# KiCad board beaglebone-ai.kicad_pcb (continued)
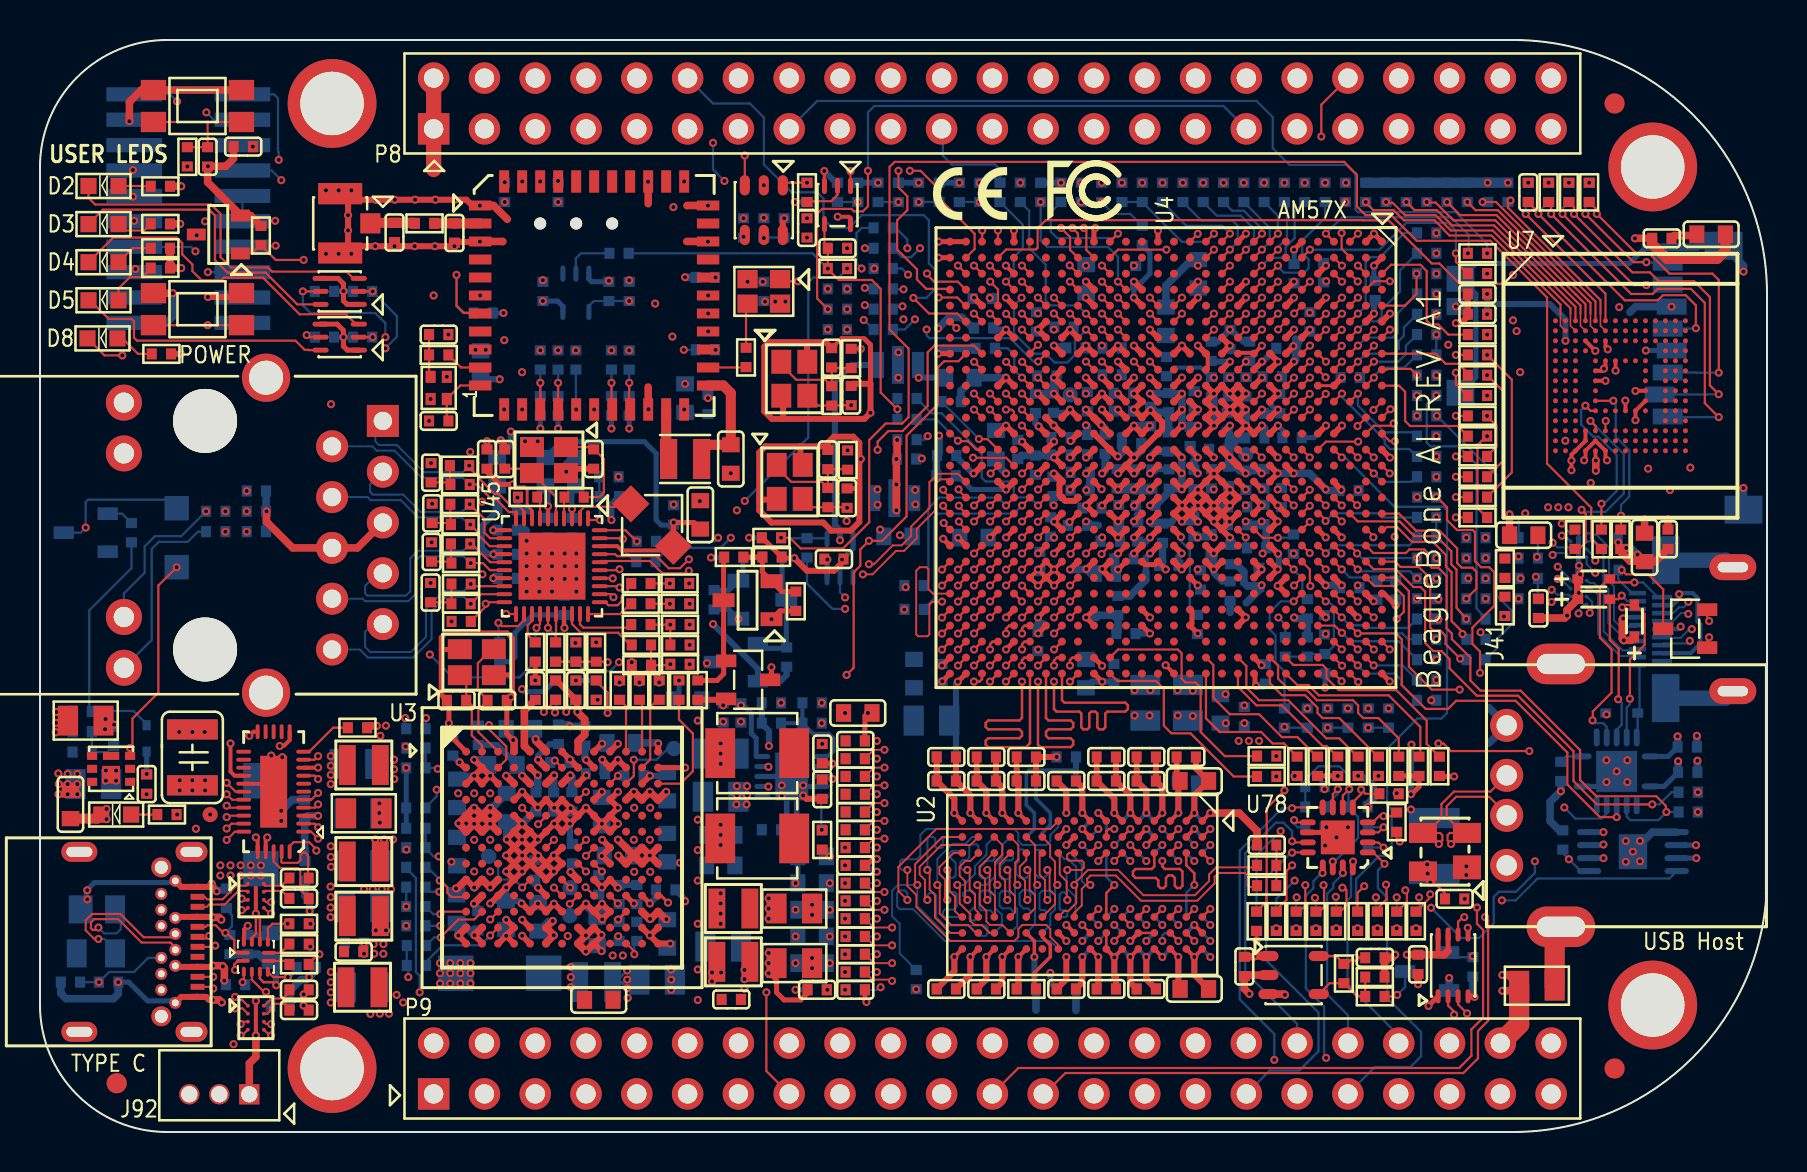
[diagram p0: board, top side]
## Routing (per net, layer and track width the routed paths; a pad name or vN(x,y) marks a point on that pad's centre or on a via; arc(x,y) is an arc through that point) (continued)
  TOP w0.305: v1(57.9,31.33) 57.9,31.33 U4.M17 ; v1(57.9,31.33) U4.N17 ; v1(57.9,31.32) 57.5,30.93 U4.N18 ; v1(57.9,31.32) U4.M18 ; U4.L18 59.1,30.93 v1(59.5,31.32) ; U4.L18 v1(58.7,31.33) ; U4.L18 59.46,30.57 59.46,30.48 ; U4.L18 v1(58.7,30.53) ; U4.M17 v1(58.7,31.33) ; U4.M17 v1(57.9,32.13) ; v1(58.7,31.33) U4.L17 ; v1(58.7,31.33) U4.M18 ; U4.L17 v1(59.5,31.33) ; U4.L17 v1(59.5,32.13) ; U4.N18 57.1,31.33 57.1,31.33 U4.P18 v1(57.1,30.53) U4.N18 ; U4.N18 v1(57.9,30.53) ; U4.P17 57.09,31.33 v1(57.11,31.33) U4.N17 ; U4.M18 v1(58.7,30.53) ; v1(59.5,32.13) U4.L16 v1(58.7,32.93) ; v1(59.5,32.12) U4.K17 v1(59.5,31.33) ; v1(58.7,32.93) U4.M16 v1(57.9,32.13) ; v1(58.7,32.93) U4.L15 ; v1(58.7,32.93) U4.M15 ; U4.N17 v1(57.9,32.13) ; 59.46,30.48 59.44,30.48 59.1,30.15 U4.L19 ; 59.46,30.48 U4.K18 ; U4.L19 v1(59.5,29.73) ; U4.L19 v1(58.7,30.52) ; U4.R18 v1(55.5,30.53)
  SIG_L10 w0.254: v1(32.26,18.22) 33.18,17.3 v1(34.85,17.3)
  BOTTOM w0.381: C112.1 59.54,29.69 v1(59.5,29.73) ; v1(55.5,30.53) 55.6,30.43 C197.1 56.49,30.43 56.62,30.56 ; C206.1 57.7,31.1 57.66,31.14 ; 58.88,31.19 58.95,31.26 C221.1 ; v1(57.9,30.53) v1(57.1,30.53)
  vias: v1(34.85,16.84) v1(34.82,16.38) v1(35.36,17.3) v1(35.36,16.84) v1(35.33,16.38) v1(54.74,20.83) v1(55.49,20.83) v1(56.9,20.83) v1(57.65,20.8) v1(59.3,20.45) v1(59.49,30.53) v1(60.22,20.45)
VDD_RTC: length 2.9
  TOP w0.381: C43.1 24.22,21.07 24.22,19.3 U3.A5
VDD_TYPEC: length 114.9
  TOP w0.114: Q19.2 83.37,25.65 v1(83.46,25.55)
  SIG_L10 w0.152: v1(6.99,17.08) 4.83,14.92 4.83,4.57 6.53,2.87 11.1,2.87 13.34,5.11 16.28,5.11 18.59,2.79 76.1,2.79 77.22,3.91 77.22,7.19 82.27,12.24 82.27,17.02 81.23,18.06 81.23,21.69 83.9,24.36 83.9,25.1 83.46,25.53 v1(83.46,25.55)
  vias: v1(3.3,18.08) v1(3.3,17.57) v1(3.8,18.08) v1(3.8,17.57) v1(5.33,16.89) v1(6.99,17.59) v1(7.62,17.59) v1(7.62,17.08) v1(8.25,17.59) v1(8.25,17.08)
VDD_VREF_IN: length 5.3
  BOTTOM w0.203: U1.1 39.35,18.78 39.42,18.85 39.47,18.85 39.67,19.05 39.67,19.69 39.45,19.91 38.66,19.91 R1.1 ; R1.1 C1.1 ; R1.1 R2.2
/ADC_TF_Debug/UART1_RX: length 68.8
  TOP w0.114: v1(70.71,5.87) 70.71,6.02 70.41,6.32 U46.2
  INT_L3 w0.102: J92.2 9.91,0.94 70.92,0.94 71.35,1.37 71.35,5.28 70.82,5.82 70.76,5.82 v1(70.71,5.87)
/ADC_TF_Debug/UART1_TX: length 70.6
  TOP w0.114: U46.3 70.92,6.78 70.92,6.38 v1(71.36,5.93)
  INT_L3 w0.102: J92.3 8.64,0.71 71.02,0.71 71.58,1.27 71.58,5.71 v1(71.36,5.93)
/AM572x Interfaces/AM572x Interface 1/MII0_TX_CLK: length 11.7
  TOP w0.114: U4.W9 v1(52.3,38.53)
  SIG_L10 w0.102: v1(43.75,40.64) 46.41,40.64 46.52,40.53 50.08,40.53 50.32,40.29 50.32,40.01 50.59,39.73 50.87,39.73 51.1,39.5 51.1,39.14 51.32,38.92 51.66,38.92 52.06,38.53 v1(52.3,38.53)
  BOTTOM w0.114: v1(43.75,40.64) 43.24,40.13 R97.1
/AM572x Interfaces/AM572x Interface 1/MII0_TX_EN: length 12.9
  TOP w0.114: U4.V9 v1(53.1,38.53)
  SIG_L10 w0.102: v1(43.13,41.29) 43.51,41.29 43.57,41.35 50.1,41.35 50.33,41.12 50.33,40.79 50.61,40.51 50.92,40.51 51.13,40.3 51.13,39.99 51.39,39.73 51.63,39.73 51.89,39.47 51.89,39.15 52.11,38.93 52.45,38.93 52.86,38.53 v1(53.1,38.53)
  BOTTOM w0.114: v1(43.13,41.29) 42.74,41.29 42.65,41.2 R96.1
/AM572x Interfaces/AM572x Interface 1/MII0_TXD0: length 14.6
  TOP w0.114: U4.U6 v1(53.9,40.93)
  SIG_L10 w0.102: v1(43.37,44.2) 43.75,44.58 44.32,44.58 44.77,44.13 45.37,44.13 45.59,43.91 50,43.91 51.03,42.88 51.68,42.88 51.92,42.64 51.92,42.31 52.08,42.15 52.38,42.15 52.67,41.86 52.67,41.55 52.89,41.33 53.51,41.33 53.9,40.94 v1(53.9,40.93)
  BOTTOM w0.114: R92.1 42.71,45.27 42.74,45.27 43.37,44.64 v1(43.37,44.2)
/AM572x Interfaces/AM572x Interface 1/MII0_TXD1: length 13.3
  TOP w0.114: U4.V6 v1(53.1,40.93)
  SIG_L10 w0.102: v1(53.1,40.93) 52.83,40.93 52.4,41.35 52.1,41.35 51.89,41.56 51.89,41.85 51.61,42.13 51.32,42.13 50.65,42.8 49.77,43.68 45.59,43.68 45.24,43.33 44.65,43.33 44.01,43.98 v1(44.01,44.2)
  BOTTOM w0.114: v1(44.01,44.2) 43.56,43.75 43.09,43.75 R93.1
/AM572x Interfaces/AM572x Interface 1/MII0_TXD2: length 13.8
  TOP w0.114: U4.U7 v1(53.9,40.13)
  SIG_L10 w0.102: v1(43.41,42.88) 43.73,42.55 45.93,42.55 46.35,42.97 49.97,42.97 51.06,41.88 51.06,41.6 51.32,41.34 51.61,41.34 51.9,41.05 51.9,40.78 52.16,40.52 53.51,40.52 v1(53.9,40.13)
  BOTTOM w0.114: R94.1 43.1,43.18 v1(43.41,42.88)
/AM572x Interfaces/AM572x Interface 1/MII0_TXD3: length 12.7
  TOP w0.114: U4.V7 v1(53.1,40.13)
  SIG_L10 w0.102: v1(43.18,42.14) 50.05,42.14 50.26,41.93 50.26,41.54 50.51,41.29 50.86,41.29 51.13,41.02 51.13,40.76 51.33,40.56 51.59,40.56 51.86,40.29 51.86,40.01 52.12,39.75 52.44,39.75 52.82,40.13 v1(53.1,40.13)
  BOTTOM w0.114: R95.1 42.67,42.14 v1(43.18,42.14)
/AM572x Interfaces/AM572x Interface 1/PR2_MII0_RXD2: length 8.5
  TOP w0.114: U4.A19 67.21,30.13 67.34,30.25 67.87,30.25 68.61,29.51 69.65,29.51 70.31,28.85 70.31,28.27 70.59,27.99 70.59,25.55 71.12,25.02 71.12,24.99 v1(71.13,24.9)
  BOTTOM w0.114: R608.1 71.32,24.71 v1(71.13,24.9)
/AM572x SYSTEM/MR_L: length 30
  TOP w0.114: v1(35.24,48.83) 35.24,47.35 U10.3
  SIG_L10 w0.102: v1(7.37,48.29) 7.37,48.32 7.75,48.7 10.81,48.7 11.3,48.21 34.62,48.21 v1(35.24,48.83)
/AM572x SYSTEM/OSC0_IN: length 11.5
  TOP w0.114: X7.3 38.56,31.24 R11.2 40.34,31.24 v1(40.36,31.22) ; U4.AE15 47.9,33.3 v1(47.54,32.93)
  INT_L3 w0.102: v1(47.54,32.93) 47.14,32.54 46.05,32.54 45.57,33.02 44.63,33.02 44.15,32.54 43.69,32.54 42.1,30.95 41.24,30.95 40.97,31.22 v1(40.36,31.22)
/AM572x SYSTEM/OSC0_OUT: length 9
  TOP w0.114: v1(46.66,33.72) 48.31,33.72 U4.AD15
  SIG_L5 w0.102: v1(40.39,34.09) 41.27,34.09 41.62,33.74 42.14,33.74 42.55,34.16 44.28,34.16 44.72,33.72 v1(46.66,33.72)
/AM572x SYSTEM/OSC1_IN: length 13.1
  TOP w0.114: U4.AC15 v1(49.11,32.93) ; X8.3 38.91,36.33 R12.2 v1(40.56,36.35)
  SIG_L5 w0.102: v1(49.11,32.93) 49.11,33.31 48.29,34.12 45.15,34.12 44.86,34.42 44.07,34.42 43.5,34.99 41.92,34.99 v1(40.56,36.35)
/AM572x SYSTEM/OSC1_OUT: length 12.1
  TOP w0.114: R15.2 v1(41.05,39.17) ; U4.AC13 v1(49.1,35.33)
  SIG_L5 w0.102: v1(49.1,35.33) 48.73,34.95 48.03,34.95 47.23,35.75 42.67,35.75 41.05,37.38 v1(41.05,39.17)
/AM572x SYSTEM/PORZ: length 6.7
  TOP w0.114: 8.38,50.51 S1.2 ; 8.38,50.51 C321.1 R595.2 ; 8.38,50.51 S1.4
/AM572x SYSTEM/PORZn: length 45.4
  TOP w0.114: U4.F22 v1(62.71,27.33)
  SIG_L5 w0.102: v1(35.24,31.56) 37.5,31.56 38.94,30.12 39.98,30.12 41.25,28.85 46,28.85 46.48,29.34 61.99,29.34 62.29,29.04 62.29,27.75 v1(62.71,27.33)
  BOTTOM w0.114: v1(40.36,43.18) 40.36,43.15 39.94,42.74 38.67,42.74 38.42,42.48 38.42,34.73 v1(35.24,31.56)
/AM572x SYSTEM/RESETn: length 5.7
  TOP w0.102: U4.E23 v1(64.29,26.53)
  BOTTOM w0.114: R642.1 R169.2 63.45,23.9 C267.1 64.29,23.9 64.7,24.31 64.7,26.26 64.43,26.53 v1(64.29,26.53)
/AM572x SYSTEM/RSTN: length 2.1
  TOP w0.114: U6.2 39.88,46.86 39.56,46.55 38.39,46.55 R83.1
/AM572x SYSTEM/RSTOUTn: length 33.8
  TOP w0.114: v1(62.69,26.53) 63.08,26.92 U4.F23
  SIG_L5 w0.102: v1(40.26,26.73) 40.64,26.73 40.75,26.62 43.76,26.62 44.3,27.15 44.3,28.37 44.48,28.55 61.24,28.55 61.53,28.26 61.53,26.99 61.98,26.53 v1(62.69,26.53)
  BOTTOM w0.114: R57.1 62.23,23.04 61.79,23.48 61.79,24.83 61.49,25.12 61.49,25.98 62.04,26.53 v1(62.69,26.53) ; v1(40.26,26.73) 40,26.99 U8.2
/AM572x SYSTEM/RTC_PORZn: length 23
  TOP w0.114: U6.4 39.23,44.36 C80.1 v1(39.4,43.18) 39.4,43.15 39.94,42.61 41.59,42.61 42.04,42.16 42.04,36.98 v1(42.88,36.14)
  BOTTOM w0.114: R90.2 v1(42.88,36.14) R89.2 ; R680.1 38.63,43.94 v1(39.4,43.18)
/AM572x SYSTEM/SYS_WARMRESETn: length 65.4
  SIG_L8 w0.102: v1(61.93,25.73) 61.29,25.73 59.49,27.53 59.49,29.22 59.12,29.59 59.12,29.86 58.88,30.1 58.61,30.1 58.29,30.42 58.29,30.67 58.04,30.92 57.79,30.92 57.53,31.18 57.53,31.5 57.28,31.75 56.77,31.75 56.01,32.51 55.37,32.51 55.12,32.77 55.12,33.08 54.86,33.34 54.55,33.34 54.25,33.63 54.25,33.96 53.64,34.57 52.15,34.57 51.79,34.93 48.18,34.93 47.4,35.71 46.58,35.71 45.89,36.41 43.11,36.41 43.02,36.5 42.47,36.5 41.81,37.16 40.22,37.16 40.22,37.16 39.46,37.16 34.77,37.16 34.21,37.72 33.22,37.72 32.59,38.35 32.07,38.35 30.35,40.07 22.54,40.07 22.07,40.54 12.7,40.54 10.24,43 v1(8.39,43)
  BOTTOM w0.114: v1(61.93,25.73) 62.27,25.38 R642.2 ; P2.15 v1(8.39,43)
/DDR/DDR Part 1/DDR1_D0: length 32.5
  TOP w0.127: U4.AF25 v1(46.71,24.93)
  SIG_L5 w0.121: v1(46.71,24.93) 46.71,24.65 46.84,24.52 47.1,24.52 47.22,24.64 47.22,24.84 47.35,24.96 47.79,24.96 47.92,24.84 47.92,24.64 48.05,24.52 48.56,24.52 48.68,24.39 48.68,24.01 48.97,23.72 49.25,23.72 49.5,23.48 49.5,23.06 49.63,22.93 50.97,22.93 51.1,22.8 51.1,22.23 50.97,22.1 49.19,22.1 49.06,21.98 49.06,21.79 49.19,21.66 51.41,21.66 51.54,21.53 51.54,19.69 51.67,19.56 53.07,19.56 53.19,19.44 53.19,18.17 53.32,18.04 55.03,18.04 55.16,17.91 55.16,17.34 55.29,17.22 55.56,17.22 55.7,17.07 55.7,14.96 55.5,14.75 55.17,14.75 54.9,14.49 54.9,14.16 54.71,13.98 54.38,13.98 54.13,13.73 54.13,13.28 54.26,13.15 54.84,13.15 54.97,13.02 54.97,12.64 55.1,12.52 56.3,12.52 56.43,12.39 56.43,12.2 56.3,12.07 55.4,12.07 55.29,11.96 55.29,11.8 55.4,11.69 55.61,11.69 55.73,11.56 55.73,10.99 55.32,10.58 v1(55.32,10.35)
  BOTTOM w0.127: U11.E3 v1(55.32,10.35)
/DDR/DDR Part 1/DDR1_D1: length 32.5
  TOP w0.127: U4.AF26 v1(46.71,24.13)
  SIG_L5 w0.121: v1(53.72,10.35) 54.13,10.76 54.79,10.76 54.95,10.93 54.95,12.03 54.59,12.4 54.59,12.64 54.46,12.77 53.83,12.77 53.32,13.28 53.32,13.75 53.52,13.95 53.88,13.95 54.12,14.19 54.12,14.55 54.32,14.75 54.67,14.75 54.91,14.99 54.91,15.34 54.7,15.54 54.39,15.54 54.12,15.81 54.12,16.2 54.28,16.36 54.78,16.36 54.9,16.48 54.9,16.65 54.78,16.77 53.64,16.77 53.51,16.9 53.51,17.09 53.64,17.22 54.65,17.22 54.78,17.34 54.78,17.53 54.65,17.66 52.94,17.66 52.81,17.79 52.81,19.06 52.68,19.18 52.49,19.18 52.37,19.06 52.37,17.79 52.24,17.66 52.05,17.66 51.92,17.79 51.92,18.17 51.8,18.29 51.35,18.29 51.22,18.42 51.22,18.61 51.35,18.74 51.8,18.74 51.92,18.87 51.92,19.06 51.8,19.18 51.29,19.18 51.16,19.31 51.16,21.15 51.03,21.28 48.81,21.28 48.68,21.41 48.68,23.5 48.46,23.72 47.11,23.72 v1(46.71,24.13)
  BOTTOM w0.127: U11.F2 v1(53.72,10.35)
/DDR/DDR Part 1/DDR1_D2: length 32.7
  TOP w0.127: U4.AG26 v1(45.9,24.12)
  SIG_L5 w0.121: v1(45.9,24.12) 45.9,24.09 45.51,23.69 44.81,23.69 44.49,23.37 42.59,23.37 42.46,23.25 42.46,21.41 42.59,21.28 42.78,21.28 42.91,21.41 42.91,22.8 43.03,22.93 43.22,22.93 43.35,22.8 43.35,21.41 43.48,21.28 43.67,21.28 43.79,21.41 43.79,22.8 43.92,22.93 44.11,22.93 44.24,22.8 44.24,21.41 44.37,21.28 44.56,21.28 44.68,21.41 44.68,22.8 44.82,22.94 45.38,22.94 45.51,22.8 45.51,22.23 45.38,22.1 45.19,22.1 45.06,21.98 45.06,21.41 45.19,21.28 47.79,21.28 47.92,21.15 47.92,20.39 51.41,16.9 52.37,16.9 52.52,16.74 52.52,15.96 52.52,15.83 52.78,15.57 53.08,15.57 53.32,15.33 53.32,14.95 53.12,14.75 52.52,14.75 v1(52.12,14.35)
  BOTTOM w0.127: U11.H7 v1(52.12,14.35)
/DDR/DDR Part 1/DDR1_D3: length 32.8
  TOP w0.127: U4.AH26 v1(45.1,24.12)
  SIG_L5 w0.121: v1(52.92,15.15) 52.65,15.15 52.24,15.56 51.96,15.56 51.73,15.79 51.73,16.11 46.95,20.9 42.21,20.9 42.08,21.03 42.08,21.22 41.95,21.34 41.06,21.34 40.94,21.47 40.94,21.66 41.06,21.79 41.95,21.79 42.08,21.91 42.08,22.1 41.95,22.23 41.06,22.23 40.94,22.36 40.94,22.55 41.06,22.68 41.95,22.68 42.08,22.8 42.08,22.99 41.95,23.12 41.06,23.12 40.94,23.25 40.94,24.39 41.06,24.52 41.25,24.52 41.38,24.39 41.38,23.69 41.51,23.57 41.7,23.57 41.83,23.69 41.83,24.39 41.95,24.52 42.14,24.52 42.27,24.39 42.27,23.88 42.4,23.76 42.59,23.76 42.71,23.88 42.71,24.39 42.84,24.52 43.03,24.52 43.16,24.39 43.16,23.88 43.29,23.76 43.48,23.76 43.6,23.88 43.6,24.39 43.73,24.52 43.92,24.52 44.05,24.39 44.05,23.88 44.18,23.76 44.37,23.76 44.49,23.88 44.49,24.39 44.62,24.52 44.98,24.52 45.1,24.39 v1(45.1,24.12)
  BOTTOM w0.127: U11.H8 v1(52.92,15.15)
/DDR/DDR Part 1/DDR1_D4: length 32.8
  TOP w0.127: U4.AF24 v1(46.71,25.73)
  SIG_L5 w0.121: v1(46.71,25.73) 47.12,26.14 47.69,26.14 47.9,26.35 47.9,26.72 48.1,26.92 48.45,26.92 48.7,27.18 48.7,27.52 48.9,27.72 49.3,27.72 49.5,27.52 49.5,27.18 49.75,26.92 50.1,26.92 50.3,26.72 50.3,26.38 50.55,26.12 50.9,26.12 51.1,25.92 51.1,25.58 51.4,25.28 52.11,25.28 55.12,22.27 55.12,21.84 58.92,18.04 58.92,12.97 57.35,11.41 57.35,11.06 57.08,10.78 56.83,10.78 56.55,10.51 56.55,10.26 56.28,9.98 56.03,9.98 55.75,9.71 55.75,9.46 55.47,9.17 53.31,9.17 v1(52.92,9.55)
  BOTTOM w0.127: U11.G2 v1(52.92,9.55)
/DDR/DDR Part 1/DDR1_D5: length 32.3
  TOP w0.127: U4.AE24 v1(47.51,25.73)
  SIG_L5 w0.121: v1(52.92,10.35) 52.62,10.35 52.49,10.23 52.49,10.09 52.62,9.96 55.53,9.96 55.72,10.15 55.72,10.47 56,10.75 56.32,10.75 56.52,10.95 56.52,11.72 58.12,13.32 58.12,18.38 56.05,20.45 54.46,20.45 54.34,20.58 54.34,21.09 54.46,21.22 54.78,21.22 54.91,21.34 54.91,21.53 54.78,21.66 54.46,21.66 54.34,21.79 54.34,22.55 53.95,22.93 52.94,22.93 52.68,23.18 52.68,24.14 51.92,24.9 51.28,24.9 50.85,25.32 50.5,25.32 50.3,25.52 50.3,25.88 50.05,26.12 49.75,26.12 49.5,26.38 49.5,26.7 49.28,26.92 48.93,26.92 48.7,26.7 48.7,26.32 48.49,26.11 48.14,26.11 47.75,25.73 v1(47.51,25.73)
  BOTTOM w0.127: U11.H3 v1(52.92,10.35)
/DDR/DDR Part 1/DDR1_D6: length 32.4
  TOP w0.127: U4.AF23 v1(46.71,26.53)
  SIG_L5 w0.121: v1(46.71,26.53) 46.3,26.12 46.3,25.58 46.55,25.32 49.27,25.32 49.5,25.09 49.5,23.98 49.75,23.72 51.8,23.72 51.92,23.6 51.92,21.85 52.05,21.72 53.45,21.72 53.57,21.6 53.57,21.41 53.45,21.28 52.05,21.28 51.92,21.15 51.92,20.96 52.05,20.83 53.45,20.83 53.57,20.71 53.57,20.52 53.45,20.39 52.05,20.39 51.92,20.26 51.92,20.07 52.05,19.95 53.45,19.95 53.57,19.82 53.57,18.55 53.7,18.42 55.41,18.42 55.54,18.29 55.54,17.66 55.67,17.53 56.81,17.53 56.94,17.41 56.94,17.22 56.81,17.09 56.18,17.09 56.05,16.96 56.05,16.77 56.18,16.64 56.37,16.64 56.51,16.5 56.51,14.9 56.37,14.75 55.98,14.75 55.76,14.53 55.76,14.13 55.58,13.95 55.17,13.95 54.81,13.6 54.56,13.6 v1(54.52,13.55)
  BOTTOM w0.127: U11.F7 v1(54.52,13.55)
/DDR/DDR Part 1/DDR1_D7: length 32.5
  TOP w0.127: U4.AE23 v1(47.51,26.53)
  SIG_L5 w0.121: v1(47.51,26.53) 47.11,26.92 45.7,26.92 45.54,26.76 45.54,25.57 45.75,25.36 46.04,25.36 46.3,25.1 46.3,23.09 46.46,22.93 47.79,22.93 47.92,22.8 47.92,22.23 47.79,22.1 46.02,22.1 45.89,21.98 45.89,21.79 46.02,21.66 48.18,21.66 48.3,21.53 48.3,21.03 48.43,20.9 50.65,20.9 50.78,20.77 50.78,20.58 50.65,20.45 48.81,20.45 48.68,20.33 48.68,20.14 48.81,20.01 50.65,20.01 50.78,19.88 50.78,19.69 50.65,19.56 49.7,19.56 49.57,19.44 49.57,19.25 49.7,19.12 50.33,19.12 50.46,18.99 50.46,18.36 51.54,17.28 53,17.28 53.13,17.15 53.13,16.52 53.32,16.33 53.32,15.82 53.57,15.56 53.9,15.56 54.09,15.37 54.09,15 53.72,14.63 v1(53.72,14.35)
  BOTTOM w0.127: U11.F8 v1(53.72,14.35)
/DDR/DDR Part 1/DDR1_D8: length 30.4
  TOP w0.127: U4.AC23 v1(49.11,27.32)
  SIG_L10 w0.121: v1(49.11,27.32) 49.09,27.3 49.09,27.08 48.61,26.6 48.61,26.43 48.91,26.13 50.07,26.13 50.33,25.87 50.33,25.53 50.53,25.34 50.84,25.34 51.22,24.96 51.48,24.96 52.68,23.76 52.68,23.18 52.94,22.93 53.38,22.93 53.51,22.8 53.51,22.36 53.64,22.23 53.85,22.23 53.98,22.1 53.98,21.91 53.85,21.79 53.19,21.79 53.07,21.66 53.07,21.47 53.19,21.34 54.98,21.34 55.11,21.22 55.11,20.58 55.24,20.45 56.24,20.45 56.68,20.01 57.61,20.01 61.26,16.36 61.26,11.99 58.83,9.55 v1(58.52,9.55)
  BOTTOM w0.127: U11.A2 v1(58.52,9.55)
/DDR/DDR Part 1/DDR1_D9: length 30.8
  TOP w0.127: U4.AF27 v1(46.7,23.32)
  SIG_L10 w0.121: v1(46.7,23.32) 46.46,23.32 46.07,23.72 45.74,23.72 45.51,23.49 45.51,22.22 45.58,22.16 45.58,22.16 45.89,21.85 45.89,20.64 46.65,19.88 49.38,19.88 49.51,19.76 49.51,18.55 51.73,16.33 51.73,13.34 52.11,12.96 52.11,11.69 51.73,11.31 51.73,9.28 51.86,9.15 54.78,9.15 54.91,9.29 54.91,10.49 55.16,10.74 55.54,10.74 55.73,10.93 55.73,11.31 56.11,11.69 56.11,12.64 56.49,13.02 56.49,14.23 56.37,14.35 v1(56.12,14.35)
  BOTTOM w0.127: U11.D7 v1(56.12,14.35)
/DDR/DDR Part 1/DDR1_D10: length 30.3
  TOP w0.127: U4.AG27 v1(45.9,23.32)
  SIG_L10 w0.121: v1(57.72,14.35) 57.72,14.35 57.32,14.75 55.82,14.75 55.69,14.62 55.69,12.64 55.57,12.52 55.03,12.52 54.91,12.39 54.91,12.2 55.03,12.07 55.57,12.07 55.69,11.94 55.69,11.75 55.57,11.63 55.03,11.63 54.91,11.5 54.91,10.99 54.65,10.74 54.34,10.74 54.14,10.55 54.14,10.1 54.02,9.98 52.62,9.98 52.49,10.1 52.49,11.25 52.94,11.69 52.94,12.9 52.49,13.34 52.49,16.2 52.37,16.33 52.24,16.33 49.95,18.61 49.95,20.14 49.83,20.26 46.78,20.26 46.27,20.77 46.27,22.87 45.9,23.23 v1(45.9,23.32)
  BOTTOM w0.127: U11.B8 v1(57.72,14.35)
/DDR/DDR Part 1/DDR1_D11: length 30.3
  TOP w0.127: v1(46.7,22.52) 46.98,22.52 47.1,22.65 U4.AF28
  SIG_L10 w0.121: v1(56.12,15.15) 56.26,15.29 56.26,15.44 56.13,15.57 54.28,15.57 54.1,15.39 54.1,14.91 54.27,14.74 54.79,14.74 54.91,14.62 54.91,14.1 54.79,13.98 54.27,13.98 54.14,13.85 54.14,13.09 54.27,12.96 54.53,12.96 54.65,12.83 54.65,12.64 54.53,12.52 54.27,12.52 54.14,12.39 54.14,12.2 54.27,12.07 54.53,12.07 54.65,11.94 54.65,11.75 54.53,11.63 54.27,11.63 54.14,11.5 54.14,11.06 53.83,10.74 53.46,10.74 53.29,10.91 53.29,11.39 53.46,11.56 53.72,11.56 53.83,11.68 53.83,11.83 53.72,11.94 53.45,11.94 53.32,12.07 53.32,12.64 53.45,12.77 53.7,12.77 53.83,12.9 53.83,13.02 53.7,13.15 53.46,13.15 53.33,13.28 53.33,16.58 53.21,16.71 52.37,16.71 50.33,18.74 50.33,20.52 50.21,20.64 46.91,20.64 46.61,20.94 46.61,22.04 46.7,22.13 v1(46.7,22.52)
  BOTTOM w0.127: U11.C8 v1(56.12,15.15)
/DDR/DDR Part 1/DDR1_D12: length 30.4
  TOP w0.127: U4.AE26 47.64,24.52 47.51,24.4 v1(47.51,24.13)
  SIG_L10 w0.121: v1(47.51,24.13) 47.51,23.89 47.64,23.76 50.03,23.76 50.33,23.45 50.33,23.06 50.46,22.93 50.84,22.93 51.1,22.68 51.1,22.23 51.22,22.1 51.8,22.1 51.92,21.98 51.92,20.32 52.05,20.2 53.45,20.2 53.57,20.07 53.57,18.99 53.7,18.87 57.19,18.87 59.67,16.39 59.67,12.07 59.54,11.94 57.65,11.94 57.52,11.82 57.52,11.56 57.4,11.44 57.19,11.44 57.07,11.56 57.07,12.52 56.94,12.64 56.62,12.64 56.49,12.52 56.49,10.48 56.62,10.35 v1(56.92,10.35)
  BOTTOM w0.127: U11.C3 v1(56.92,10.35)
/DDR/DDR Part 1/DDR1_D13: length 30.4
  TOP w0.127: U4.AC25 49.24,25.32 49.11,25.2 v1(49.11,24.93)
  SIG_L10 w0.121: v1(49.11,24.93) 49.39,24.93 49.8,25.34 50.03,25.34 50.33,25.04 50.33,24.78 50.6,24.52 51.43,24.52 52.3,23.64 52.3,23.06 52.68,22.68 52.68,21.09 52.81,20.96 54.21,20.96 54.34,20.83 54.34,20.2 54.46,20.07 56.11,20.07 56.56,19.63 57.45,19.63 60.88,16.2 60.88,14.93 60.43,14.48 60.43,14.23 60.88,13.79 60.88,12.14 58.7,9.95 58.29,9.95 58.11,10.13 58.11,10.56 57.93,10.74 57.52,10.74 57.35,10.56 57.35,10.13 57.17,9.95 U11.C2 v1(56.12,9.55)
  BOTTOM w0.127: U11.C2 56.26,9.95 56.12,9.82 v1(56.12,9.55)
/DDR/DDR Part 1/DDR1_D14: length 30.4
  TOP w0.127: U4.AC24 v1(49.11,25.73)
  SIG_L10 w0.121: v1(49.11,25.73) 49.33,25.73 49.45,25.62 49.45,25.46 49.33,25.34 48.81,25.34 48.69,25.46 48.69,25.88 48.44,26.14 48.13,26.14 47.91,25.92 47.91,25.47 47.79,25.34 47.34,25.34 47.22,25.23 47.22,25.07 47.34,24.96 47.79,24.96 47.91,24.84 47.91,24.71 47.76,24.56 46.55,24.56 46.32,24.33 46.32,23.95 46.55,23.72 46.88,23.72 47.11,23.49 47.11,23.32 47.11,23.31 47.11,21.15 47.24,21.03 50.59,21.03 50.72,20.9 50.72,19.44 51.22,18.93 51.22,18.36 52.49,17.09 53.57,17.09 53.7,16.96 53.7,16.45 53.82,16.33 56.36,16.33 56.54,16.15 56.54,15.68 56.66,15.56 57.19,15.56 57.32,15.69 57.32,16.2 57.48,16.36 57.89,16.36 58.13,16.11 58.13,14.04 58.26,13.91 58.39,13.91 58.52,14.04 v1(58.52,14.35)
  BOTTOM w0.127: U11.A7 v1(58.52,14.35)
/DDR/DDR Part 1/DDR1_D15: length 30.4
  TOP w0.127: U4.AD25 48.46,25.32 48.3,25.16 v1(48.3,24.92)
  SIG_L10 w0.121: v1(58.52,10.35) 58.52,10.63 58.11,11.04 58.11,11.44 58.23,11.56 59.8,11.56 60.05,11.82 60.05,12.26 60.18,12.39 60.37,12.39 60.49,12.52 60.49,12.71 60.37,12.83 60.18,12.83 60.05,12.96 60.05,13.18 60.17,13.3 60.37,13.3 60.49,13.42 60.49,13.65 60.37,13.78 60.17,13.78 60.05,13.9 60.05,14.8 60.18,14.93 60.37,14.93 60.49,15.06 60.49,15.25 60.37,15.37 60.18,15.37 60.05,15.5 60.05,15.69 60.18,15.82 60.37,15.82 60.47,15.92 60.47,16.09 57.32,19.25 56.24,19.25 56.11,19.37 56.11,19.56 55.99,19.69 55.41,19.69 55.29,19.56 55.29,19.37 55.16,19.25 54.97,19.25 54.84,19.37 54.84,19.56 54.72,19.69 54.53,19.69 54.4,19.56 54.4,19.37 54.27,19.25 54.08,19.25 53.95,19.37 53.95,20.45 53.83,20.58 52.44,20.58 52.3,20.72 52.3,22.55 51.92,22.93 51.92,23.57 51.73,23.76 50.5,23.76 50.33,23.92 50.33,24.24 50.06,24.51 48.39,24.51 48.3,24.59 v1(48.3,24.92)
  BOTTOM w0.127: U11.A3 v1(58.52,10.35)
/DDR/DDR Part 1/DDR1_D16: length 31.5
  TOP w0.127: U2.H8 v1(52.12,10.35) ; U4.V20 v1(53.08,28.91)
  INT_L3 w0.121: v1(52.12,10.35) 52.53,9.94 53.05,9.94 53.29,9.71 53.29,9.44 53.58,9.14 53.9,9.14 54.16,8.89 54.16,8.6 54.41,8.35 55.5,8.35 55.76,8.61 55.76,8.91 55.97,9.12 56.27,9.12 56.56,9.4 56.56,9.71 56.77,9.92 57.07,9.92 57.36,10.2 57.36,10.51 57.57,10.72 57.85,10.72 58.16,11.02 58.16,11.31 58.92,12.07 58.92,22.96 54.92,26.95 53.81,26.95 52.74,28.02 52.74,28.56 v1(53.08,28.91)
/DDR/DDR Part 1/DDR1_D17: length 31.5
  TOP w0.127: U4.W20 v1(52.31,28.93) ; U2.H7 v1(52.92,11.15)
  INT_L3 w0.121: v1(52.92,11.15) 53.32,10.75 53.32,10.15 53.52,9.95 55.52,9.95 55.76,10.19 55.76,10.51 55.97,10.72 56.27,10.72 56.56,11 56.56,11.31 56.77,11.52 57.09,11.52 57.32,11.75 57.32,16.07 58.22,16.97 58.22,22.64 56.57,24.29 55.55,24.29 53.7,26.14 51.38,26.14 51.1,26.42 51.1,29.03 51.37,29.3 51.94,29.3 v1(52.31,28.93)
/DDR/DDR Part 1/DDR1_D18: length 31.3
  TOP w0.127: v1(49.9,22.52) 49.9,19.37 50.03,19.25 51.54,19.25 51.67,19.37 51.67,19.56 51.54,19.69 50.43,19.69 50.3,19.82 50.3,20.01 50.43,20.14 51.54,20.14 51.67,20.26 51.67,20.45 51.54,20.58 50.43,20.58 50.3,20.71 U4.AB28 ; U2.E3 v1(54.52,14.35)
  INT_L3 w0.121: v1(54.52,14.35) 54.92,14.75 54.92,16.15 56.18,17.42 56.18,22.33 56,22.51 54.85,22.51 54.73,22.64 54.73,23.02 54.6,23.15 53.96,23.15 53.84,23.28 53.84,24.48 53.71,24.61 51.57,24.61 51.45,24.48 51.45,23.82 51.12,23.5 51.12,23.02 50.99,22.9 50.03,22.9 49.9,22.77 v1(49.9,22.52)
/DDR/DDR Part 1/DDR1_D19: length 31.5
  TOP w0.127: U2.F2 v1(54.52,15.15) ; v1(49.1,22.52) 49.1,20.71 48.98,20.58 47.41,20.58 47.29,20.45 47.29,20.26 47.41,20.14 48.98,20.14 49.1,20.01 49.1,19.82 48.98,19.69 47.41,19.69 47.29,19.56 47.29,19.37 47.41,19.25 49.31,19.25 49.5,19.44 U4.AC28
  INT_L3 w0.121: v1(49.1,22.52) 49.1,21.82 49.23,21.69 54.15,21.69 54.6,21.24 54.98,21.24 55.11,21.12 55.11,20.55 54.98,20.42 54.66,20.42 54.53,20.29 54.53,17.05 54.41,16.93 53.01,16.93 52.88,16.8 52.88,16.61 53.01,16.48 53.19,16.48 53.32,16.35 53.32,14.95 53.52,14.75 54.33,14.75 54.52,14.94 v1(54.52,15.15)
/DDR/DDR Part 1/DDR1_D20: length 31.2
  TOP w0.127: U4.AC27 49.23,23.72 49.1,23.6 v1(49.1,23.32) ; U2.G2 53.32,15.03 53.45,15.15 v1(53.72,15.15)
  INT_L3 w0.121: v1(53.72,15.15) 53.97,15.15 54.12,15.31 54.12,16.42 54.25,16.55 54.79,16.55 54.92,16.67 54.92,17.24 55.04,17.37 55.68,17.37 55.8,17.5 55.8,17.69 55.68,17.82 55.04,17.82 54.92,17.94 54.92,18.13 55.04,18.26 55.68,18.26 55.8,18.39 55.8,18.58 55.68,18.7 55.04,18.7 54.92,18.83 54.92,19.02 55.04,19.15 55.68,19.15 55.8,19.28 55.8,19.47 55.68,19.59 55.04,19.59 54.92,19.72 54.92,19.91 55.04,20.04 55.73,20.04 55.86,20.16 55.86,21.5 55.73,21.63 54.68,21.63 54.34,21.96 54.34,22.64 54.22,22.77 54.03,22.77 53.9,22.64 53.9,22.2 53.77,22.07 53.62,22.07 53.49,22.2 53.49,24.1 53.37,24.23 52.86,24.23 52.73,24.1 52.73,22.2 52.6,22.07 52.45,22.07 52.32,22.2 52.32,24.1 52.2,24.23 52.02,24.23 51.89,24.1 51.89,22.2 51.77,22.07 49.64,22.07 49.51,22.2 49.51,22.92 v1(49.1,23.32)
/DDR/DDR Part 1/DDR1_D21: length 31
  TOP w0.127: v1(51.5,29.73) U4.Y19 ; U2.F7 v1(54.52,10.35)
  INT_L3 w0.121: v1(54.52,10.35) 54.92,10.75 55.52,10.75 55.72,10.95 55.72,11.28 56,11.55 56.32,11.55 56.52,11.75 56.52,16.23 56.64,16.35 57.07,16.35 57.84,17.12 57.84,20.04 57.28,20.6 57.28,23.07 56.44,23.91 56,23.91 55.87,23.78 55.87,23.53 55.74,23.4 55.55,23.4 55.42,23.53 55.42,23.78 55.3,23.91 54.73,23.91 54.6,24.04 54.6,24.74 53.99,25.35 51.33,25.35 51.12,25.55 51.12,25.87 50.85,26.14 50.55,26.14 50.32,26.37 50.32,29.98 50.46,30.12 51.33,30.12 51.46,30 51.46,29.77 v1(51.5,29.73)
/DDR/DDR Part 1/DDR1_D22: length 31.1
  TOP w0.127: U4.AB27 v1(49.9,23.32) ; U2.H3 v1(52.92,14.35)
  INT_L3 w0.121: v1(49.9,23.32) 49.84,23.39 49.6,23.39 49.26,23.74 48.84,23.74 48.71,23.61 48.71,21.43 48.84,21.31 54.03,21.31 54.15,21.18 54.15,20.99 54.03,20.86 52.74,20.86 52.62,20.74 52.62,20.55 52.74,20.42 54.03,20.42 54.15,20.29 54.15,20.1 54.03,19.97 52.77,19.97 52.64,19.85 52.64,19.66 52.77,19.53 54.03,19.53 54.15,19.4 54.15,19.21 54.03,19.09 52.82,19.09 52.69,18.96 52.69,18.77 52.82,18.64 54.03,18.64 54.15,18.51 54.15,18.32 54.03,18.2 52.82,18.2 52.69,18.07 52.69,17.88 52.82,17.75 54.03,17.75 54.15,17.62 54.15,17.43 54.03,17.31 52.63,17.31 52.5,17.18 52.5,15.66 52.38,15.53 51.87,15.53 51.74,15.4 51.74,14.89 51.87,14.77 52.88,14.77 53.01,14.64 53.01,14.42 52.95,14.35 v1(52.92,14.35)
/DDR/DDR Part 1/DDR1_D23: length 31.1
  TOP w0.127: v1(51.54,28.91) 51.54,28.96 U4.Y20 ; U2.F8 v1(53.72,9.55)
  INT_L3 w0.121: v1(53.72,9.55) 53.97,9.55 54.36,9.16 55.52,9.16 55.76,9.4 55.76,9.71 55.97,9.92 56.27,9.92 56.56,10.2 56.56,10.51 56.77,10.72 57.07,10.72 57.36,11 57.36,11.31 57.57,11.52 57.89,11.52 58.12,11.75 58.12,16.11 58.59,16.58 58.59,22.77 56.01,25.35 54.98,25.35 54.85,25.48 54.85,26.43 54.73,26.55 53.01,26.55 52.88,26.68 52.88,27.28 52.76,27.4 52.57,27.4 52.44,27.28 52.44,26.68 52.31,26.55 52.08,26.55 51.92,26.71 51.92,28.53 51.82,28.63 51.81,28.63 v1(51.54,28.91)
